# KiCad board motherboard-101.kicad_pcb
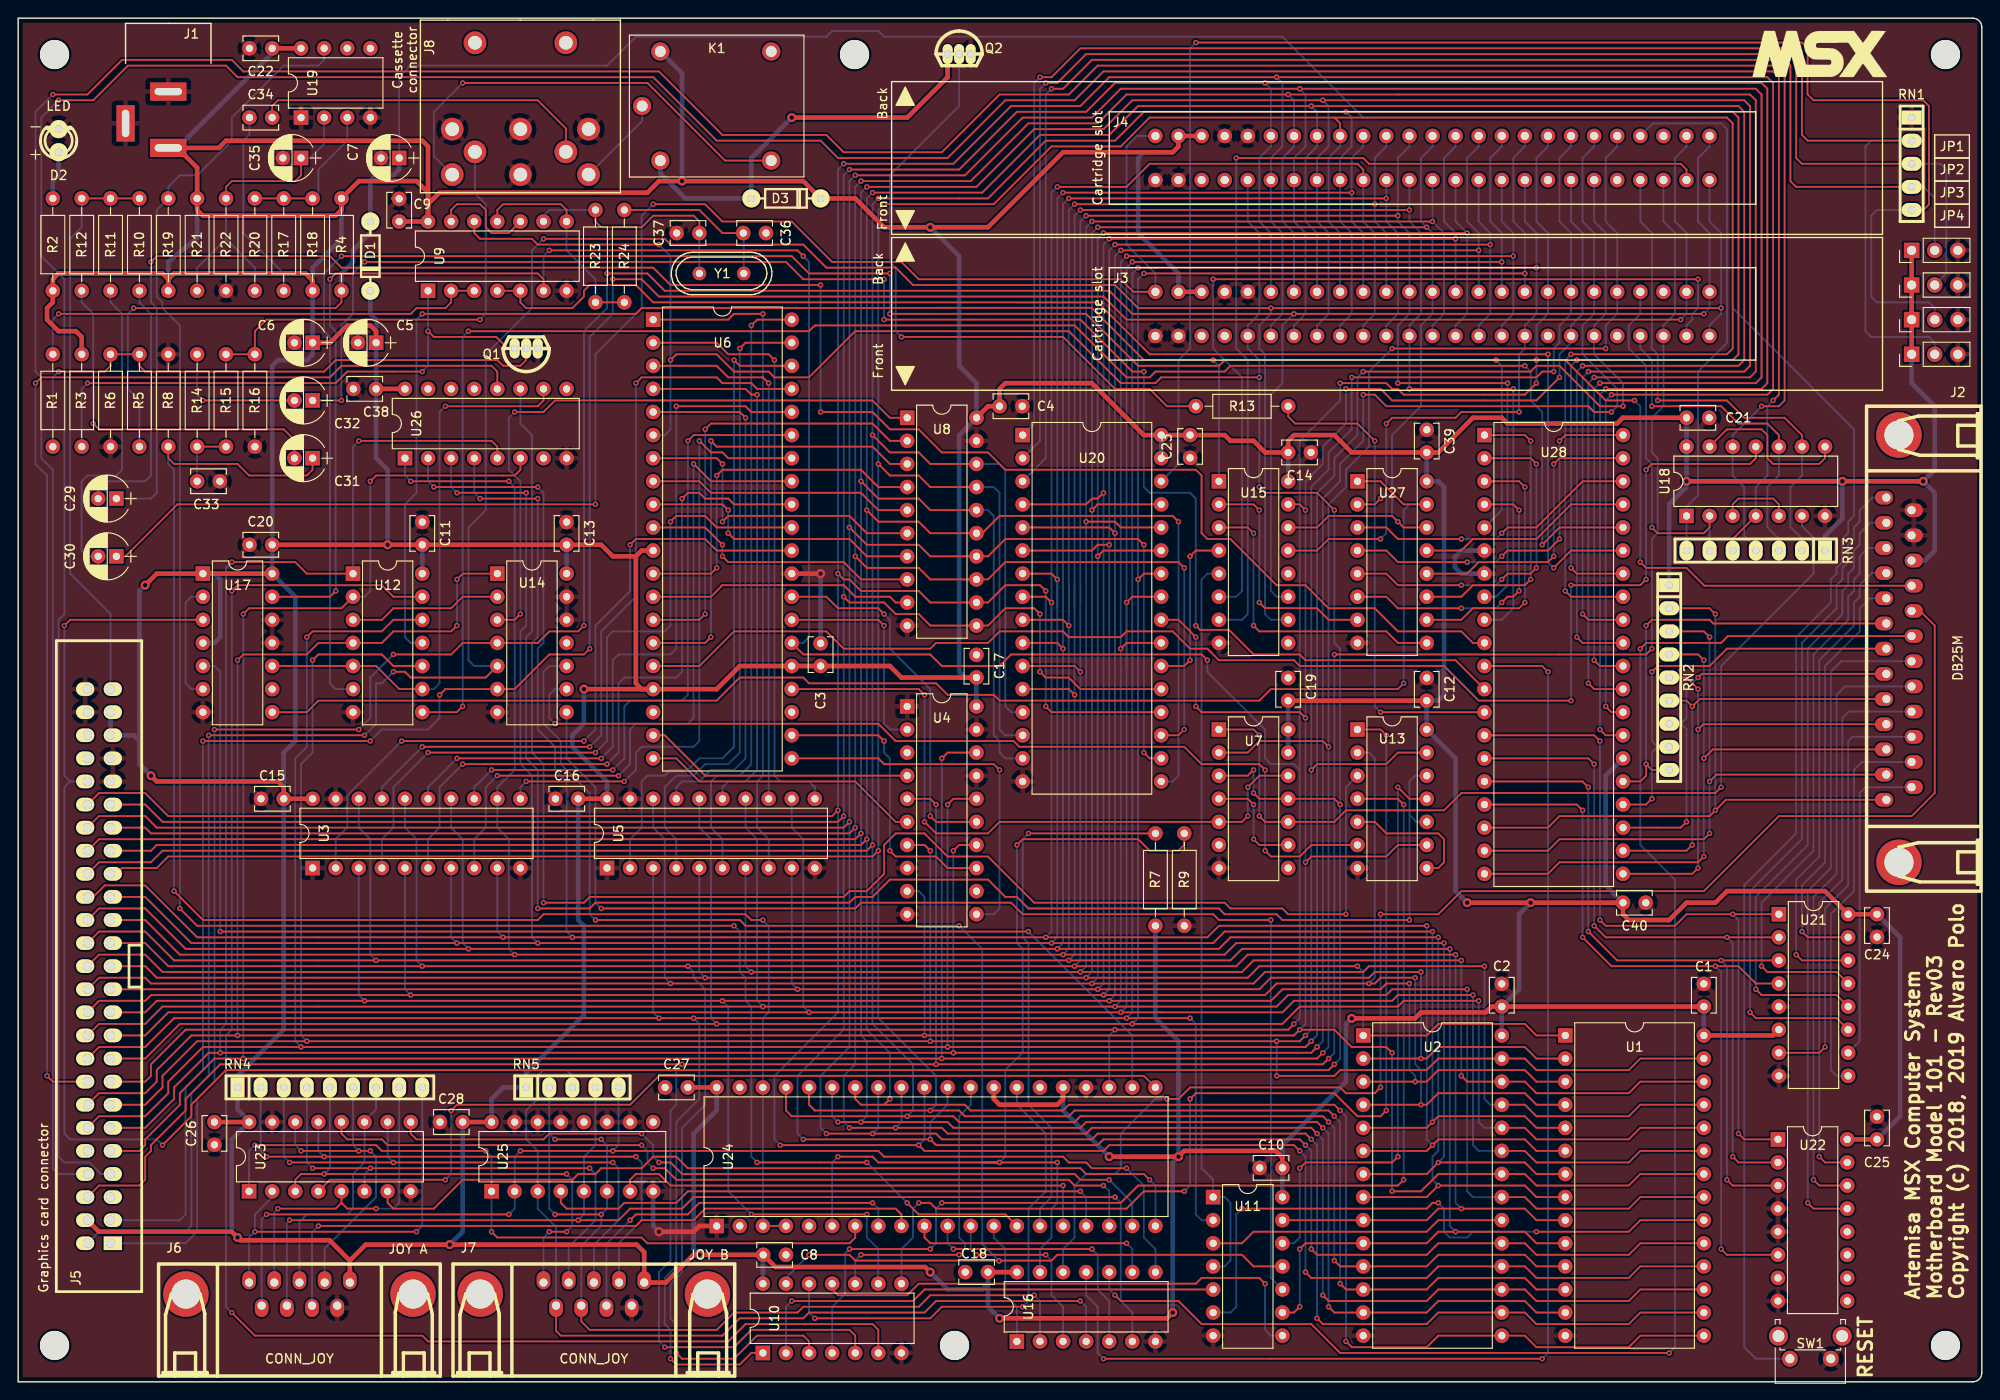
[diagram p0: board, top side]
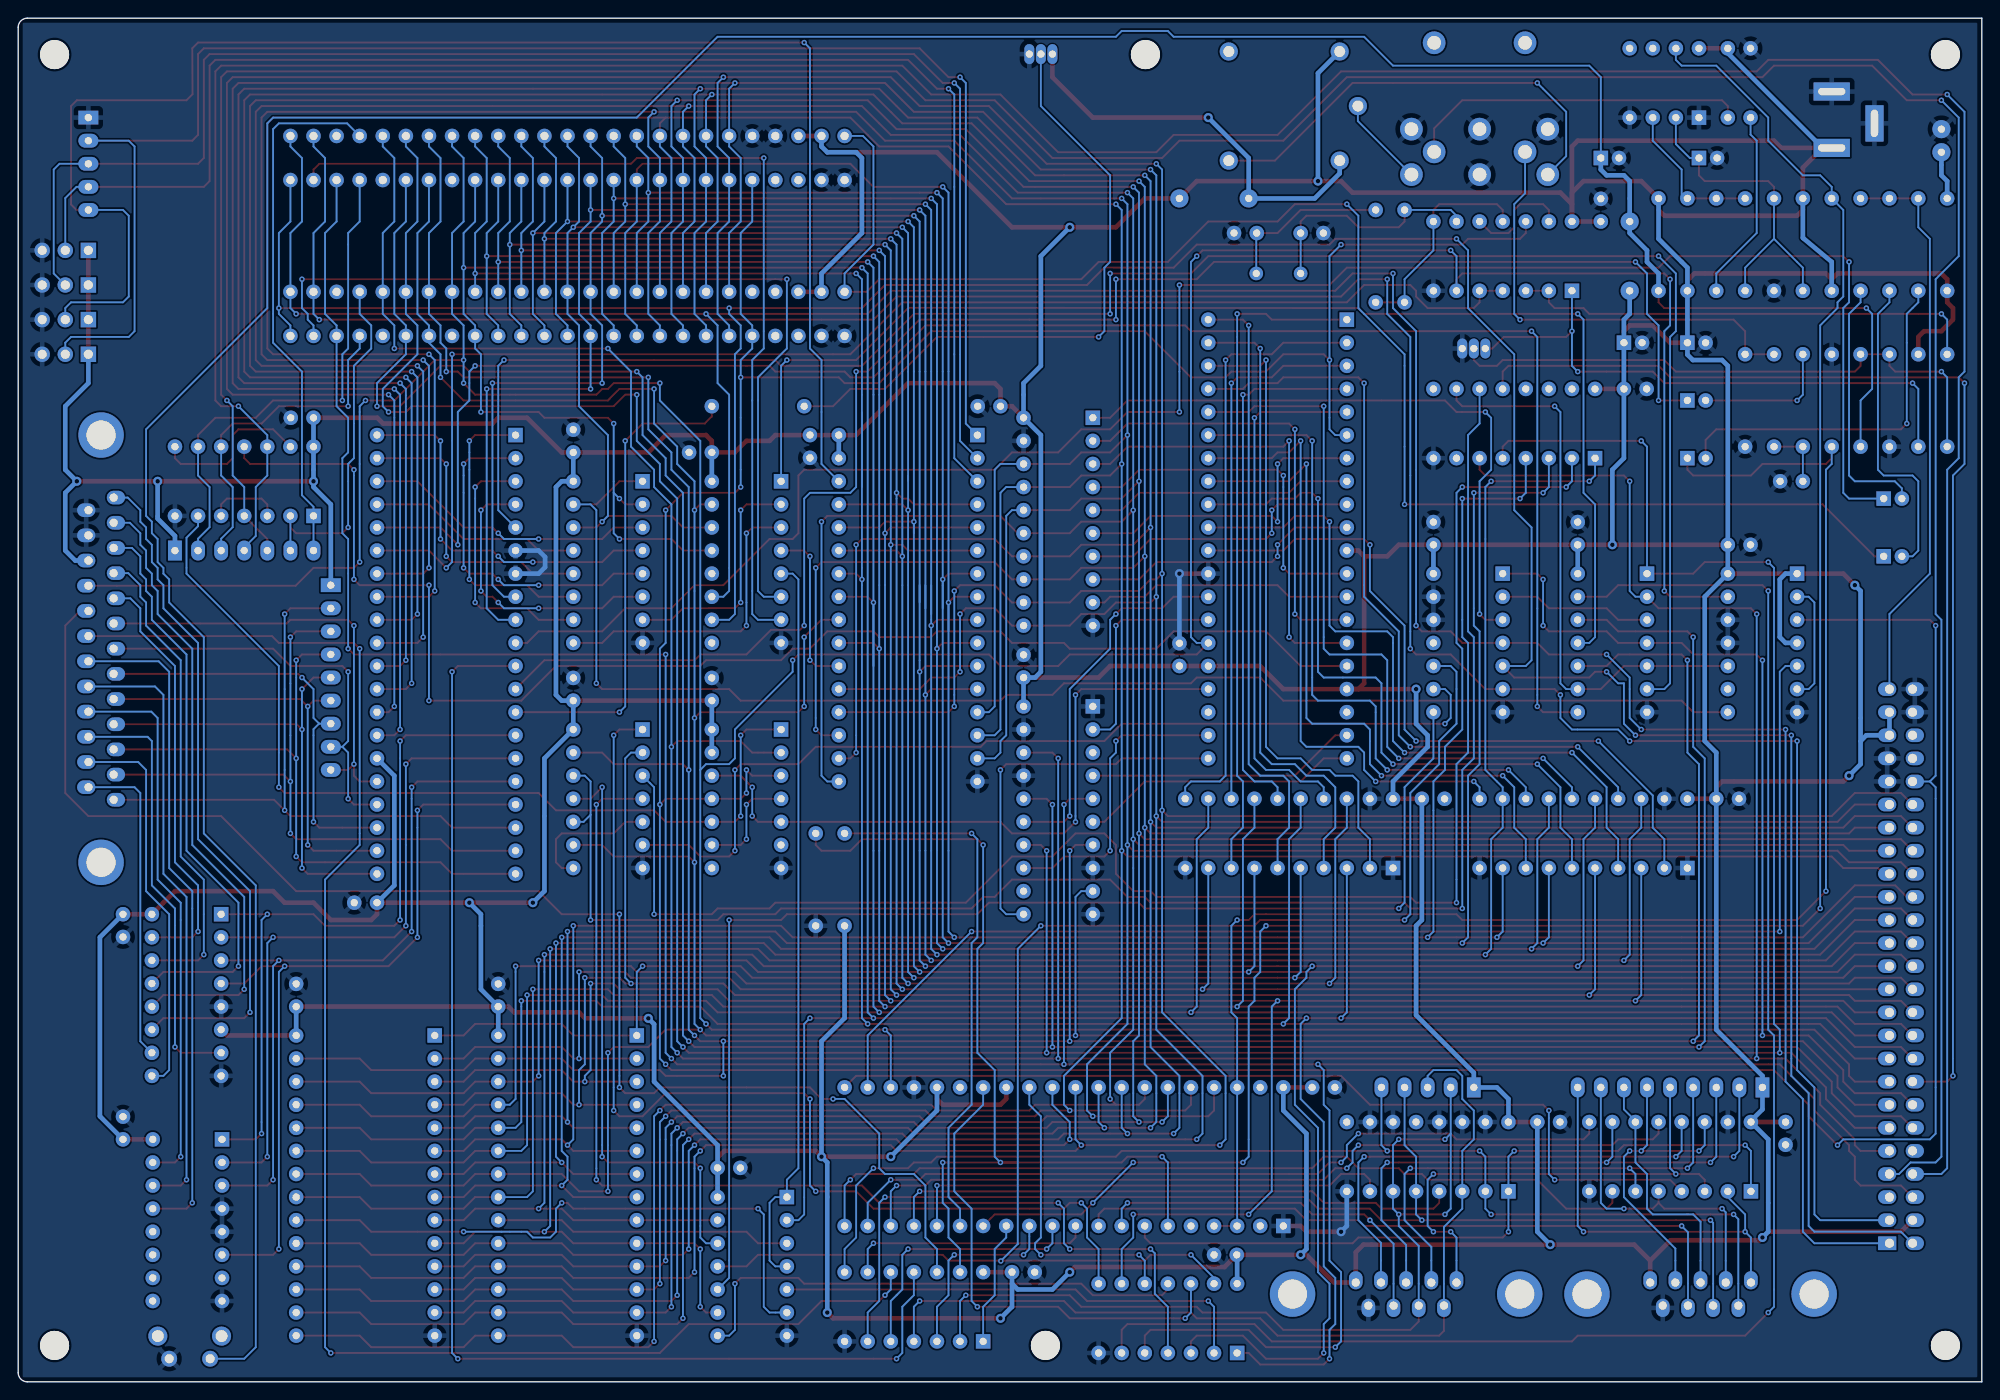
[diagram p1: board, bottom side, seen from below]

Outline 216 x 150 mm; copper layers: Top, Bottom. Coordinates in mm from the lower left corner of the outline.
Outline path: 0,150 0,0 215,0 arc(215.71,0.29) 216,1 216,149 arc(215.71,149.71) 215,150 0,150

## Placement (name value [footprint] x y rotation side)
C1  100nF  [Disc_capacitor]  185.42 41.28 90 top
C2  100nF  [Disc_capacitor]  163.19 41.28 90 top
C3  100nF  [Disc_capacitor]  88.27 78.74 90 top
C4  100nF  [Disc_capacitor]  107.95 107.31 0 top
C5  100uF  [Radial_capacitor]  39.37 114.3 180 top
C6  10uF  [Radial_capacitor]  32.39 114.3 180 top
C7  100uF  [Radial_capacitor]  41.91 134.62 180 top
C8  100nF  [Disc_capacitor]  81.95 13.97 0 top
C9  100nF  [Disc_capacitor]  41.91 127.63 90 top
C10  100nF  [Disc_capacitor]  139.06 23.53 180 top
C11  100nF  [Disc_capacitor]  44.45 92.07 90 top
C12  100nF  [Disc_capacitor]  154.94 74.93 90 top
C13  100nF  [Disc_capacitor]  60.33 92.07 90 top
C14  100nF  [Disc_capacitor]  139.7 102.23 0 top
C15  100nF  [Disc_capacitor]  29.21 64.13 180 top
C16  100nF  [Disc_capacitor]  61.59 64.13 180 top
C17  100nF  [Disc_capacitor]  105.41 77.47 90 top
C18  100nF  [Disc_capacitor]  106.68 12.06 180 top
C19  100nF  [Disc_capacitor]  139.7 74.93 90 top
C20  100nF  [Disc_capacitor]  27.94 92.07 180 top
C21  100nF  [Disc_capacitor]  183.51 106.04 0 top
C22  100nF  [Disc_capacitor]  27.94 146.69 180 top
C23  100nF  [Disc_capacitor]  128.9 104.14 270 top
C24  100nF  [Disc_capacitor]  204.47 51.44 270 top
C25  100nF  [Disc_capacitor]  204.47 26.67 90 top
C26  100nF  [Disc_capacitor]  21.59 28.57 270 top
C27  100nF  [Disc_capacitor]  73.66 32.38 180 top
C28  100nF  [Disc_capacitor]  48.89 28.57 180 top
C29  10u  [Radial_capacitor]  10.8 97.16 180 top
C30  10u  [Radial_capacitor]  10.8 90.81 180 top
C31  10u  [Radial_capacitor]  32.39 101.6 180 top
C32  1uF  [Radial_capacitor]  32.39 107.95 180 top
C33  22nF  [Disc_capacitor]  19.69 99.06 0 top
C34  22nF  [Disc_capacitor]  25.44 139.06 0 top
C35  1uF  [Radial_capacitor]  31.11 134.62 180 top
C36  33pF  [Disc_capacitor]  74.93 126.36 180 top
C37  33pF  [Disc_capacitor]  79.76 126.36 0 top
C38  100nF  [Disc_capacitor]  39.37 109.22 180 top
C39  100nF  [Disc_capacitor]  154.94 102.23 90 top
C40  100nF  [Disc_capacitor]  176.53 52.7 0 top
D1  1N4448  [Axial_diode]  38.73 123.82 270 top
D2  -  [LED]  4.45 136.52 180 top
D3  1N4448  [Axial_diode]  84.45 130.18 0 top
G***  LOGO  [MSX_logo]  198.12 146.05 0 top
J1  PWR_conn  [Jack_55_21]  11.81 138.43 270 top
J2  -  [DB25M]  214 80.64 90 top
J3  MSX_Slot  [Slot_conn]  155.57 117.47 0 top
J4  MSX_Slot  [Slot_conn]  155.57 134.62 0 top
J5  GFX_Connector_Output  [GFX_conn]  8.89 45.72 90 top
J6  CONN_JOY  [Joystick_conn]  30.94 2.54 0 top
J7  CONN_JOY  [Joystick_conn]  63.32 2.54 0 top
J8  -  [DIN8]  55.25 149.79 180 top
JP1  -  [Jumper]  208.28 124.46 90 top
JP2  -  [Jumper]  208.28 120.65 90 top
JP3  -  [Jumper]  208.28 116.84 90 top
JP4  -  [Jumper]  208.28 113.03 90 top
K1  -  [Relay]  76.83 140.33 0 top
Q1  2N2222  [TO92]  55.88 113.66 180 top
Q2  2N2907  [TO92]  103.51 146.05 0 top
R1  100K  [Axial_resistor]  3.81 113.03 270 top
R2  220  [Axial_resistor]  3.81 120.02 90 top
R3  4K7  [Axial_resistor]  6.98 113.03 270 top
R4  10K  [Axial_resistor]  35.56 130.18 270 top
R5  1K  [Axial_resistor]  13.33 113.03 270 top
R6  4K7  [Axial_resistor]  10.16 113.03 270 top
R7  10K  [Axial_resistor]  125.1 50.16 90 top
R8  470  [Axial_resistor]  16.51 102.87 90 top
R9  10K  [Axial_resistor]  128.27 60.32 270 top
R10  20k  [Axial_resistor]  13.33 120.02 90 top
R11  4k7  [Axial_resistor]  10.16 120.02 90 top
R12  2k7  [Axial_resistor]  6.98 120.02 90 top
R13  2k2  [Axial_resistor]  129.54 107.31 0 top
R14  4k7  [Axial_resistor]  19.69 102.87 90 top
R15  4k7  [Axial_resistor]  22.86 113.03 270 top
R16  100  [Axial_resistor]  26.03 102.87 90 top
R17  4k7  [Axial_resistor]  29.21 120.02 90 top
R18  220k  [Axial_resistor]  32.39 130.18 270 top
R19  1k  [Axial_resistor]  16.51 130.18 270 top
R20  10k  [Axial_resistor]  26.03 130.18 270 top
R21  2k7  [Axial_resistor]  19.69 120.02 90 top
R22  2k7  [Axial_resistor]  22.86 120.02 90 top
R23  1M  [Axial_resistor]  63.5 128.91 270 top
R24  1K  [Axial_resistor]  66.67 128.91 270 top
REF**  MountingHole_M3  [Mounting_hole_M3]  4 146 0 top
REF**#2  MountingHole_M3  [Mounting_hole_M3]  4 4 0 top
REF**#3  MountingHole_M3  [Mounting_hole_M3]  103 4 0 top
REF**#4  MountingHole_M3  [Mounting_hole_M3]  212 146 0 top
REF**#5  MountingHole_M3  [Mounting_hole_M3]  212 4 0 top
REF**#6  MountingHole_M3  [Mounting_hole_M3]  92 146 0 top
RN1  10K  [RN4]  208.28 133.99 270 top
RN2  10K  [RN8]  181.61 77.47 270 top
RN3  10K  [RN6]  191.13 91.44 180 top
RN4  10K  [RN8]  34.29 32.38 0 top
RN5  10K  [RN4]  60.96 32.38 0 top
SW1  Push_button  [Push_button_angled]  199.39 2.54 180 top
U1  62256  [DIP-28_600]  170.18 38.1 0 top
U2  62256  [DIP-28_600]  147.95 38.1 0 top
U3  74HCT244  [DIP-20_300]  32.39 56.51 90 top
U4  74HCT244  [DIP-20_300]  97.79 74.29 0 top
U5  74HCT244  [DIP-20_300]  64.77 56.51 90 top
U6  Z84C00  [DIP-40_600]  69.85 116.84 0 top
U7  74HC74  [DIP-14_300]  132.08 71.75 0 top
U8  74HCT245  [DIP-20_300]  97.79 106.04 0 top
U9  74HCU04  [DIP-14_300]  45.08 120.02 90 top
U10  74HC04  [DIP-14_300]  81.92 3.17 90 top
U11  74HC32  [DIP-14_300]  131.44 20.32 0 top
U12  74HC32  [DIP-14_300]  36.83 88.9 0 top
U13  74HC32  [DIP-14_300]  147.32 71.75 0 top
U14  74HC08  [DIP-14_300]  52.7 88.9 0 top
U15  74HC139  [DIP-16_300]  132.08 99.06 0 top
U16  74LS07  [DIP-14_300]  109.86 4.44 90 top
U17  74HC74  [DIP-14_300]  20.32 88.9 0 top
U18  74HCT08  [DIP-14_300]  183.51 95.25 90 top
U19  LM311  [DIP-8_300]  31.11 139.06 90 top
U20  SST39SF0  [DIP-32_600]  110.49 104.14 0 top
U21  74HC138  [DIP-16_300]  193.68 51.44 0 top
U22  74HC138  [DIP-16_300]  193.58 26.67 0 top
U23  74HC157  [DIP-16_300]  25.4 20.95 90 top
U24  AY-3-8910  [DIP-40_600]  76.83 17.14 90 top
U25  74HC157  [DIP-16_300]  52.07 20.95 90 top
U26  74HC138  [DIP-16_300]  42.55 101.6 90 top
U27  74HC153  [DIP-16_300]  147.32 99.06 0 top
U28  82C55A  [DIP-40_600]  161.29 104.14 0 top
Y1  3.58Mhz  [Crystal]  77.37 121.92 0 top

## Footprints (pads in the part's own frame, mm; a bottom-side part is the same pattern mirrored in y, then rotated)
Axial_diode
  round 1.999 hole 0.8: 1(-3.81,0) 2(3.81,0)
Axial_resistor
  round 1.6 hole 0.8: 1(0,0)
  oval 1.6x1.6 hole 0.8: 2(10.16,0)
Crystal
  round 1.501 hole 0.8: 1(-2.441,0) 2(2.441,0)
DB25M
  round 5.001 hole 3.2: (-23.5,7.112) (23.5,7.112)
  oval 1.501x1.999 hole 0.899: 1(-16.619,8.496) 2(-13.851,8.496) 3(-11.079,8.496) 4(-8.311,8.496) 5(-5.54,8.496) 6(-2.771,8.496) 7(0,8.496) 8(2.771,8.496) 9(5.54,8.496) 10(8.311,8.496) 11(11.079,8.496) 12(13.851,8.496) 13(16.619,8.496) 14(-15.235,5.728) 15(-12.464,5.728) 16(-9.695,5.728) 17(-6.924,5.728) 18(-4.155,5.728) 19(-1.384,5.728) 20(1.384,5.728) 21(4.155,5.728) 22(6.924,5.728) 23(9.695,5.728) 24(12.464,5.728) 25(15.235,5.728)
DIN8
  round 2.5 hole 1.5: (-5,2.5) (5,2.5) 1(7.5,12) 2(0,12) 3(-7.5,12) 4(5,14.5) 5(-5,14.5) 6(7.5,17) 7(-7.5,17) 8(0,17)
DIP-8_300
  rect 1.6x1.6 hole 0.8: 1(0,0)
  oval 1.6x1.6 hole 0.8: 2(0,-2.54) 3(0,-5.08) 4(0,-7.62) 5(7.62,-7.62) 6(7.62,-5.08) 7(7.62,-2.54) 8(7.62,0)
DIP-14_300
  rect 1.6x1.6 hole 0.8: 1(0,0)
  oval 1.6x1.6 hole 0.8: 2(0,-2.54) 3(0,-5.08) 4(0,-7.62) 5(0,-10.16) 6(0,-12.7) 7(0,-15.24) 8(7.62,-15.24) 9(7.62,-12.7) 10(7.62,-10.16) 11(7.62,-7.62) 12(7.62,-5.08) 13(7.62,-2.54) 14(7.62,0)
DIP-16_300
  rect 1.6x1.6 hole 0.8: 1(0,0)
  oval 1.6x1.6 hole 0.8: 2(0,-2.54) 3(0,-5.08) 4(0,-7.62) 5(0,-10.16) 6(0,-12.7) 7(0,-15.24) 8(0,-17.78) 9(7.62,-17.78) 10(7.62,-15.24) 11(7.62,-12.7) 12(7.62,-10.16) 13(7.62,-7.62) 14(7.62,-5.08) 15(7.62,-2.54) 16(7.62,0)
DIP-20_300
  rect 1.6x1.6 hole 0.8: 1(0,0)
  oval 1.6x1.6 hole 0.8: 2(0,-2.54) 3(0,-5.08) 4(0,-7.62) 5(0,-10.16) 6(0,-12.7) 7(0,-15.24) 8(0,-17.78) 9(0,-20.32) 10(0,-22.86) 11(7.62,-22.86) 12(7.62,-20.32) 13(7.62,-17.78) 14(7.62,-15.24) 15(7.62,-12.7) 16(7.62,-10.16) 17(7.62,-7.62) 18(7.62,-5.08) 19(7.62,-2.54) 20(7.62,0)
DIP-28_600
  rect 1.6x1.6 hole 0.8: 1(0,0)
  oval 1.6x1.6 hole 0.8: 2(0,-2.54) 3(0,-5.08) 4(0,-7.62) 5(0,-10.16) 6(0,-12.7) 7(0,-15.24) 8(0,-17.78) 9(0,-20.32) 10(0,-22.86) 11(0,-25.4) 12(0,-27.94) 13(0,-30.48) 14(0,-33.02) 15(15.24,-33.02) 16(15.24,-30.48) 17(15.24,-27.94) 18(15.24,-25.4) 19(15.24,-22.86) 20(15.24,-20.32) 21(15.24,-17.78) 22(15.24,-15.24) 23(15.24,-12.7) 24(15.24,-10.16) 25(15.24,-7.62) 26(15.24,-5.08) 27(15.24,-2.54) 28(15.24,0)
DIP-32_600
  rect 1.6x1.6 hole 0.8: 1(0,0)
  oval 1.6x1.6 hole 0.8: 2(0,-2.54) 3(0,-5.08) 4(0,-7.62) 5(0,-10.16) 6(0,-12.7) 7(0,-15.24) 8(0,-17.78) 9(0,-20.32) 10(0,-22.86) 11(0,-25.4) 12(0,-27.94) 13(0,-30.48) 14(0,-33.02) 15(0,-35.56) 16(0,-38.1) 17(15.24,-38.1) 18(15.24,-35.56) 19(15.24,-33.02) 20(15.24,-30.48) 21(15.24,-27.94) 22(15.24,-25.4) 23(15.24,-22.86) 24(15.24,-20.32) 25(15.24,-17.78) 26(15.24,-15.24) 27(15.24,-12.7) 28(15.24,-10.16) 29(15.24,-7.62) 30(15.24,-5.08) 31(15.24,-2.54) 32(15.24,0)
DIP-40_600
  rect 1.6x1.6 hole 0.8: 1(0,0)
  oval 1.6x1.6 hole 0.8: 2(0,-2.54) 3(0,-5.08) 4(0,-7.62) 5(0,-10.16) 6(0,-12.7) 7(0,-15.24) 8(0,-17.78) 9(0,-20.32) 10(0,-22.86) 11(0,-25.4) 12(0,-27.94) 13(0,-30.48) 14(0,-33.02) 15(0,-35.56) 16(0,-38.1) 17(0,-40.64) 18(0,-43.18) 19(0,-45.72) 20(0,-48.26) 21(15.24,-48.26) 22(15.24,-45.72) 23(15.24,-43.18) 24(15.24,-40.64) 25(15.24,-38.1) 26(15.24,-35.56) 27(15.24,-33.02) 28(15.24,-30.48) 29(15.24,-27.94) 30(15.24,-25.4) 31(15.24,-22.86) 32(15.24,-20.32) 33(15.24,-17.78) 34(15.24,-15.24) 35(15.24,-12.7) 36(15.24,-10.16) 37(15.24,-7.62) 38(15.24,-5.08) 39(15.24,-2.54) 40(15.24,0)
Disc_capacitor
  round 1.6 hole 0.8: 1(0,0) 2(2.5,0)
GFX_conn
  rect 1.5x2 hole 1: 1(-30.48,-1.27)
  oval 1.5x2 hole 1: 2(-30.48,1.27) 3(-27.94,-1.27) 4(-27.94,1.27) 5(-25.4,-1.27) 6(-25.4,1.27) 7(-22.86,-1.27) 8(-22.86,1.27) 9(-20.32,-1.27) 10(-20.32,1.27) 11(-17.78,-1.27) 12(-17.78,1.27) 13(-15.24,-1.27) 14(-15.24,1.27) 15(-12.7,-1.27) 16(-12.7,1.27) 17(-10.16,-1.27) 18(-10.16,1.27) 19(-7.62,-1.27) 20(-7.62,1.27) 21(-5.08,-1.27) 22(-5.08,1.27) 23(-2.54,-1.27) 24(-2.54,1.27) 25(0,-1.27) 26(0,1.27) 27(2.54,-1.27) 28(2.54,1.27) 29(5.08,-1.27) 30(5.08,1.27) 31(7.62,-1.27) 32(7.62,1.27) 33(10.16,-1.27) 34(10.16,1.27) 35(12.7,-1.27) 36(12.7,1.27) 37(15.24,-1.27) 38(15.24,1.27) 39(17.78,-1.27) 40(17.78,1.27) 41(20.32,-1.27) 42(20.32,1.27) 43(22.86,-1.27) 44(22.86,1.27) 45(25.4,-1.27) 46(25.4,1.27) 47(27.94,-1.27) 48(27.94,1.27) 49(30.48,-1.27) 50(30.48,1.27)
Jack_55_21
  rect 2x4 hole 0.8x3: 1(2.7,4.7) 3(-3.5,4.7)
  rect 4x2 hole 3x0.8: 2(0,0)
Joystick_conn
  round 5.001 hole 3.2: (-12.494,7.112) (12.494,7.112)
  oval 1.501x1.999 hole 0.899: 1(-5.54,8.382) 2(-2.771,8.382) 3(0,8.382) 4(2.771,8.382) 5(5.54,8.382) 6(-4.155,5.842) 7(-1.384,5.842) 8(1.384,5.842) 9(4.155,5.842)
Jumper
  rect 1.7x1.7 hole 1: 1(0,0)
  oval 1.7x1.7 hole 1: 2(0,-2.54) 3(0,-5.08)
LED
  round 1.999 hole 0.8: 1(0,1.27) 2(0,-1.27)
Mounting_hole_M3
  round 3.2 hole 3.2 unplated: (0,0)
Push_button_angled
  round 2.1 hole 1.3: (-1.25,-2.49) (5.76,-2.49)
  round 1.75 hole 0.99: 1(0,0) 2(4.5,0)
Radial_capacitor
  rect 1.6x1.6 hole 0.8: 1(0,0)
  round 1.6 hole 0.8: 2(2,0)
Relay
  round 2 hole 1.2: 1(-6.2,6) 2(-6.2,-6) 3(-8.2,0) 4(6,-6) 5(6,6)
RN4
  rect 1.524x2.2 hole 0.8: 1(-5.08,0)
  oval 1.524x2.2 hole 0.8: 2(-2.54,0) 3(0,0) 4(2.54,0) 5(5.08,0)
RN6
  rect 1.524x2.197 hole 0.8: 1(-7.62,0)
  oval 1.524x2.197 hole 0.8: 2(-5.08,0) 3(-2.54,0) 4(0,0) 5(2.54,0) 6(5.08,0) 7(7.62,0)
RN8
  rect 1.524x2.2 hole 0.8: 1(-10.16,0)
  oval 1.524x2.2 hole 0.8: 2(-7.62,0) 3(-5.08,0) 4(-2.54,0) 5(0,0) 6(2.54,0) 7(5.08,0) 8(7.62,0) 9(10.16,0)
Slot_conn
  round 1.6 hole 0.9: 1(30.48,2.425) 2(30.48,-2.425) 3(27.94,2.425) 4(27.94,-2.425) 5(25.4,2.425) 6(25.4,-2.425) 7(22.86,2.425) 8(22.86,-2.425) 9(20.32,2.425) 10(20.32,-2.425) 11(17.78,2.425) 12(17.78,-2.425) 13(15.24,2.425) 14(15.24,-2.425) 15(12.7,2.425) 16(12.7,-2.425) 17(10.16,2.425) 18(10.16,-2.425) 19(7.62,2.425) 20(7.62,-2.425) 21(5.08,2.425) 22(5.08,-2.425) 23(2.54,2.425) 24(2.54,-2.425) 25(0,2.425) 26(0,-2.425) 27(-2.54,2.425) 28(-2.54,-2.425) 29(-5.08,2.425) 30(-5.08,-2.425) 31(-7.62,2.425) 32(-7.62,-2.425) 33(-10.16,2.425) 34(-10.16,-2.425) 35(-12.7,2.425) 36(-12.7,-2.425) 37(-15.24,2.425) 38(-15.24,-2.425) 39(-17.78,2.425) 40(-17.78,-2.425) 41(-20.32,2.425) 42(-20.32,-2.425) 43(-22.86,2.425) 44(-22.86,-2.425) 45(-25.4,2.425) 46(-25.4,-2.425) 47(-27.94,2.425) 48(-27.94,-2.425) 49(-30.48,2.425) 50(-30.48,-2.425)
TO92
  oval 1.1x2.2 hole 0.8: 1(1.27,0) 2(0,0) 3(-1.27,0)

## Nets
GND: C1.2 C2.2 C3.2 C4.2 C5.2 C6.2 C7.2 C8.2 C9.2 C10.2 C11.2 C12.2 C13.2 C14.2 C15.2 C16.2 C17.2 C18.2 C19.2 C20.2 C21.2 C22.2 C23.2 C24.2 C25.2 C26.2 C27.2 C28.2 C33.2 C35.2 C36.2 C37.2 C38.2 C39.2 C40.2 D2.2 J1.2 J1.3 J2.24 J2.25 J3.41 J3.43 J3.48 J3.50 J4.41 J4.43 J4.48 J4.50 J5.41 J5.43 J5.48 J5.50 J6.9 J7.9 J8.1 J8.2 J8.3 J8.8 JP1.3 JP2.3 JP3.3 JP4.3 Q1.3 Q2.1 R6.2 R8.2 R9.2 R16.1 R22.1 RN1.1 SW1.1 U1.14 U2.14 U3.1 U3.10 U3.19 U4.1 U4.8 U4.10 U4.17 U4.19 U5.1 U5.10 U5.19 U6.29 U7.7 U8.10 U8.19 U9.7 U10.7 U11.7 U12.7 U13.7 U14.7 U14.12 U14.13 U15.8 U16.7 U17.7 U17.11 U17.12 U18.7 U19.1 U19.4 U20.16 U21.5 U21.8 U22.4 U22.5 U22.8 U23.8 U23.15 U24.1 U24.24 U25.8 U25.10 U25.11 U25.13 U25.14 U25.15 U26.8 U27.8 U28.6 U28.7
/ADDR0: J3.28 J4.28 J5.28 U1.10 U2.10 U3.18 U11.9 U20.12 U28.9
/ADDR1: J3.27 J4.27 J5.27 U1.9 U2.9 U3.16 U10.3 U11.13 U20.11 U28.8
/ADDR14: J3.25 J4.25 J5.25 U1.1 U2.1 U5.5 U15.14 U20.29 U27.14
/ADDR15: J3.18 J4.18 J5.18 U5.3 U10.1 U11.2 U15.13 U27.2
/AUDIO: J5.49 R10.2 R11.2 R12.2
/BEEP: C29.1 U28.10
/CASIN: R19.1 U19.7 U24.14
/CASOUT: C32.1 U28.12
/CLK: J3.42 J4.42 J5.42 U6.6 U7.3 U7.11 U9.12 U17.3
/CPU/A0: U3.2 U6.30
/CPU/A1: U3.4 U6.31
/CPU/A2: U3.6 U6.32
/CPU/A3: U3.8 U6.33
/CPU/A4: U3.11 U6.34
/CPU/A5: U3.13 U6.35
/CPU/A6: U3.15 U6.36
/CPU/A7: U3.17 U6.37
/CPU/A8: U5.2 U6.38
/CPU/A9: U5.4 U6.39
/CPU/A10: U5.6 U6.40
/CPU/A11: U5.8 U6.1
/CPU/A12: U5.11 U6.2
/CPU/A13: U5.13 U6.3
/CPU/A14: U5.15 U6.4
/CPU/A15: U5.17 U6.5
/CPU/ADDR2: J3.30 J4.30 J5.30 U1.8 U2.8 U3.14 U20.10
/CPU/ADDR3: J3.29 J4.29 J5.29 U1.7 U2.7 U3.12 U20.9 U26.1
/CPU/ADDR4: J3.32 J4.32 J5.32 U1.6 U2.6 U3.9 U20.8 U26.2
/CPU/ADDR5: J3.31 J4.31 J5.31 U1.5 U2.5 U3.7 U20.7 U26.3
/CPU/ADDR6: J3.22 J4.22 J5.22 U1.4 U2.4 U3.5 U13.2 U20.6
/CPU/ADDR7: J3.21 J4.21 J5.21 U1.3 U2.3 U3.3 U10.9 U20.5
/CPU/ADDR8: J3.24 J4.24 J5.24 U1.25 U2.25 U5.18 U20.27
/CPU/ADDR9: J3.17 J4.17 J5.17 U1.24 U2.24 U5.16 U20.26
/CPU/ADDR10: J3.20 J4.20 J5.20 U1.21 U2.21 U5.14 U20.23
/CPU/ADDR11: J3.19 J4.19 J5.19 U1.23 U2.23 U5.12 U20.25
/CPU/ADDR12: J3.23 J4.23 J5.23 U1.2 U2.2 U5.9 U20.4
/CPU/ADDR13: J3.26 J4.26 J5.26 U1.26 U2.26 U5.7 U20.28
/CPU/D0: U6.14 U8.2
/CPU/D1: U6.15 U8.3
/CPU/D2: U6.12 U8.4
/CPU/D3: U6.8 U8.5
/CPU/D4: U6.7 U8.6
/CPU/D5: U6.9 U8.7
/CPU/D6: U6.10 U8.8
/CPU/D7: U6.13 U8.9
/CPU/DATA0: J3.34 J4.34 J5.34 U1.11 U2.11 U8.18 U20.13 U24.37 U28.34
/CPU/DATA1: J3.33 J4.33 J5.33 U1.12 U2.12 U8.17 U20.14 U24.36 U28.33
/CPU/DATA2: J3.36 J4.36 J5.36 U1.13 U2.13 U8.16 U20.15 U24.35 U28.32
/CPU/DATA3: J3.35 J4.35 J5.35 U1.15 U2.15 U8.15 U20.17 U24.34 U28.31
/CPU/DATA4: J3.38 J4.38 J5.38 U1.16 U2.16 U8.14 U20.18 U24.33 U28.30
/CPU/DATA5: J3.37 J4.37 J5.37 U1.17 U2.17 U8.13 U20.19 U24.32 U28.29
/CPU/DATA6: J3.40 J4.40 J5.40 U1.18 U2.18 U8.12 U20.20 U24.31 U28.28
/CPU/DATA7: J3.39 J4.39 J5.39 U1.19 U2.19 U8.11 U20.21 U24.30 U28.27
/DATADIR: U8.1 U14.3
/DECODING/~{PPISL}: U12.5 U12.9 U17.10 U26.10
/DECODING/~{PSGBDIR}: U10.13 U11.11 U14.10
/DECODING/~{PSGRD}: U13.5 U13.8
/DECODING/~{PSGSL}: U13.10 U13.12 U26.11
/DECODING/~{PSGWR}: U11.12 U13.11
/EXTSOUND: C30.1 J3.49 J4.49
/KBD/KBCOL0: J2.1 RN2.2 U28.18
/KBD/KBCOL1: J2.2 RN2.3 U28.19
/KBD/KBCOL2: J2.3 RN2.4 U28.20
/KBD/KBCOL3: J2.4 RN2.5 U28.21
/KBD/KBCOL4: J2.5 RN2.6 U28.22
/KBD/KBCOL5: J2.6 RN2.7 U28.23
/KBD/KBCOL6: J2.7 RN2.8 U28.24
/KBD/KBCOL7: J2.8 RN2.9 U28.25
/KBD/KBROW0: U21.1 U22.1 U28.14
/KBD/KBROW1: U21.2 U22.2 U28.15
/KBD/KBROW2: U21.3 U22.3 U28.16
/KBD/KBROW3: U21.4 U22.6 U28.17
/KBD/~{CAPSL}: J2.20 U16.10
/KBD/~{KANAL}: J2.21 U16.12
/KBD/~{RSL0}: J2.9 U21.15
/KBD/~{RSL1}: J2.10 U21.14
/KBD/~{RSL2}: J2.11 U21.13
/KBD/~{RSL3}: J2.12 U21.12
/KBD/~{RSL4}: J2.13 U21.11
/KBD/~{RSL5}: J2.14 U21.10
/KBD/~{RSL6}: J2.15 U21.9
/KBD/~{RSL7}: J2.16 U21.7
/KBD/~{RSL8}: J2.17 U22.15
/KBD/~{RSL9}: J2.18 U22.14
/KBD/~{RSL10}: J2.19 U22.13
/PPI/PA0: U27.6 U28.4
/PPI/PA1: U27.10 U28.3
/PPI/PA2: U27.5 U28.2
/PPI/PA3: U27.11 U28.1
/PPI/PA4: U27.4 U28.40
/PPI/PA5: U27.12 U28.39
/PPI/PA6: U27.3 U28.38
/PPI/PA7: U27.13 U28.37
/PSG/IOA0: U23.4 U24.21
/PSG/IOA1: U23.7 U24.20
/PSG/IOA2: U23.9 U24.19
/PSG/IOA3: U23.12 U24.18
/PSG/IOA4: U24.17 U25.4
/PSG/IOA5: U24.16 U25.7
/PSG/IOB0: U16.1 U24.13
/PSG/IOB1: U16.3 U24.12
/PSG/IOB2: U16.5 U24.11
/PSG/IOB3: U16.9 U24.10
/PSG/IOB4: J6.8 U24.9
/PSG/IOB5: J7.8 U24.8
/PSG/IOB6: U23.1 U24.7 U25.1
/PSG/JOYA1: J6.1 RN4.9 U23.2
/PSG/JOYA2: J6.2 RN4.8 U23.5
/PSG/JOYA3: J6.3 RN4.7 U23.11
/PSG/JOYA4: J6.4 RN4.6 U23.14
/PSG/JOYA6: J6.6 RN5.5 U16.8 U25.2
/PSG/JOYA7: J6.7 RN5.4 U16.6 U25.5
/PSG/JOYB1: J7.1 RN4.5 U23.3
/PSG/JOYB2: J7.2 RN4.4 U23.6
/PSG/JOYB3: J7.3 RN4.3 U23.10
/PSG/JOYB4: J7.4 RN4.2 U23.13
/PSG/JOYB6: J7.6 RN5.3 U16.4 U25.3
/PSG/JOYB7: J7.7 RN5.2 U16.2 U25.6
/PSGBC1: U10.10 U24.29
/PSGBDIR: U10.12 U24.27
/PSGCLK: U17.5 U24.22
/RESET: U9.4 U9.5 U28.35
/SLOTS/~{EXTINT2}: J3.8 RN3.3 U18.10
/SLOTS/~{EXTINT3}: J4.8 RN3.2 U18.9
/SLOTS/~{EXTWAIT2}: J3.7 RN3.6 U18.2
/SLOTS/~{EXTWAIT3}: J4.7 RN3.7 U18.1
/SLOTS/~{VDPINT}: J5.8 RN3.4 U18.12
/SLOTS/~{VDPWAIT}: J5.7 RN3.5 U18.4
/~{CAPSLOCK}: U16.11 U28.11
/~{CASMOTOR}: R13.2 U28.13
/~{CS1}: J3.1 J4.1 J5.1 U14.4 U15.11
/~{CS2}: J3.2 J4.2 J5.2 U14.5 U15.10
/~{CS12}: J3.3 J4.3 J5.3 U14.6
/~{EXTINT}: U6.16 U18.11
/~{EXTWAIT}: U7.1 U7.10 U18.6
/~{IORQ}: J3.11 J4.11 J5.11 U4.14 U12.1 U26.5
/~{KANALOCK}: R9.1 U16.13 U24.6
/~{M1}: J3.9 J4.9 J5.9 U4.18 U7.2 U12.2 U26.6
/~{MREQ}: J3.12 J4.12 J5.12 U4.16 U12.12
/~{PPIRDY}: U17.8 U27.1 U27.15
/~{PPIRD}: U12.6 U28.5
/~{PPIWR}: U12.8 U28.36
/~{RAMSL0}: U1.20 U11.6
/~{RAMSL1}: U2.20 U11.3
/~{RD}: J3.14 J4.14 J5.14 U1.22 U2.22 U4.9 U12.4 U13.9 U14.1 U15.15 U20.24
/~{RESET}: J2.22 J3.15 J4.15 J5.15 U6.26 U9.6 U17.13 U24.23
/~{RFSH}: J3.6 J4.6 J5.6 U4.5 U10.5
/~{SLTSL0}: U15.4 U20.22
/~{SLTSL1}: U11.1 U11.4 U15.5
/~{SLTSL2}: J3.4 U15.6
/~{SLTSL3}: J4.4 U15.7
/~{SLTSLEN}: U12.11 U15.1
/~{VDPSL}: J5.16 U26.12
/~{WR}: J3.13 J4.13 J5.13 U1.27 U2.27 U4.7 U12.10 U13.13
~: C1.1 C2.1 C3.1 C4.1 C5.1 C6.1 C8.1 C9.1 C10.1 C11.1 C12.1 C13.1 C14.1 C15.1 C16.1 C17.1 C18.1 C19.1 C20.1 C21.1 C22.1 C23.1 C24.1 C25.1 C26.1 C27.1 C28.1 C38.1 C39.1 C40.1 D1.2 D3.2 J1.1 J2.23 J3.45 J3.47 J4.45 J4.47 J5.4 J5.45 J5.47 J6.5 J7.5 JP1.1 JP2.1 JP3.1 JP4.1 K1.1 R2.1 R3.1 R4.1 R7.1 R18.2 R19.2 R21.2 RN2.1 RN3.1 RN4.1 RN5.1 U1.28 U2.28 U3.20 U4.20 U5.20 U6.11 U6.17 U6.25 U7.13 U7.14 U8.20 U9.14 U10.14 U11.14 U12.14 U13.14 U14.14 U15.16 U16.14 U17.1 U17.4 U17.14 U18.14 U19.8 U20.31 U20.32 U21.6 U21.16 U22.16 U23.16 U24.25 U24.28 U24.40 U25.16 U26.16 U27.16 U28.26
Net-(C7-Pad1): C7.1 D1.1 R4.2 R5.2 SW1.2
Net-(C29-Pad2): C29.2 R10.1
Net-(C30-Pad2): C30.2 R11.1
Net-(C31-Pad1): C31.1 R8.1 U24.3 U24.4 U24.38
Net-(C31-Pad2): C31.2 R12.1
Net-(C32-Pad2): C32.2 R14.2
Net-(C33-Pad1): C33.1 R14.1 R15.2
Net-(C34-Pad1): C34.1 R17.1
Net-(C34-Pad2): C34.2 J8.5
Net-(C35-Pad1): C35.1 R20.2 R21.1 R22.2 U19.2
Net-(C36-Pad1): C36.1 R23.1 U9.9 Y1.1
Net-(C37-Pad1): C37.1 R24.1 Y1.2
Net-(D2-Pad1): D2.1 R2.2
Net-(D3-Pad1): D3.1 K1.2 Q2.3
Net-(J3-Pad5): J3.5
Net-(J3-Pad10): J3.10
Net-(J3-Pad16): J3.16
Net-(J3-Pad44): J3.44
Net-(J3-Pad46): J3.46
Net-(J4-Pad5): J4.5
Net-(J4-Pad10): J4.10
Net-(J4-Pad16): J4.16
Net-(J4-Pad44): J4.44
Net-(J4-Pad46): J4.46
Net-(J5-Pad5): J5.5
Net-(J5-Pad10): J5.10
Net-(J5-Pad44): J5.44
Net-(J5-Pad46): J5.46
Net-(J8-Pad4): J8.4 R15.1 R16.2